# Altium PCB controller.PcbDoc (part 4 of 6)
Units mm, origin at the board's own origin, x right, y up, seen from the top; angles counter-clockwise.
Board outline 151 x 78 mm, 2 copper layers (Top Layer, Bottom Layer); 227 components, 202 nets, 805 pads, 125 vias.
Unrouted connection lines stored in the file: 1.
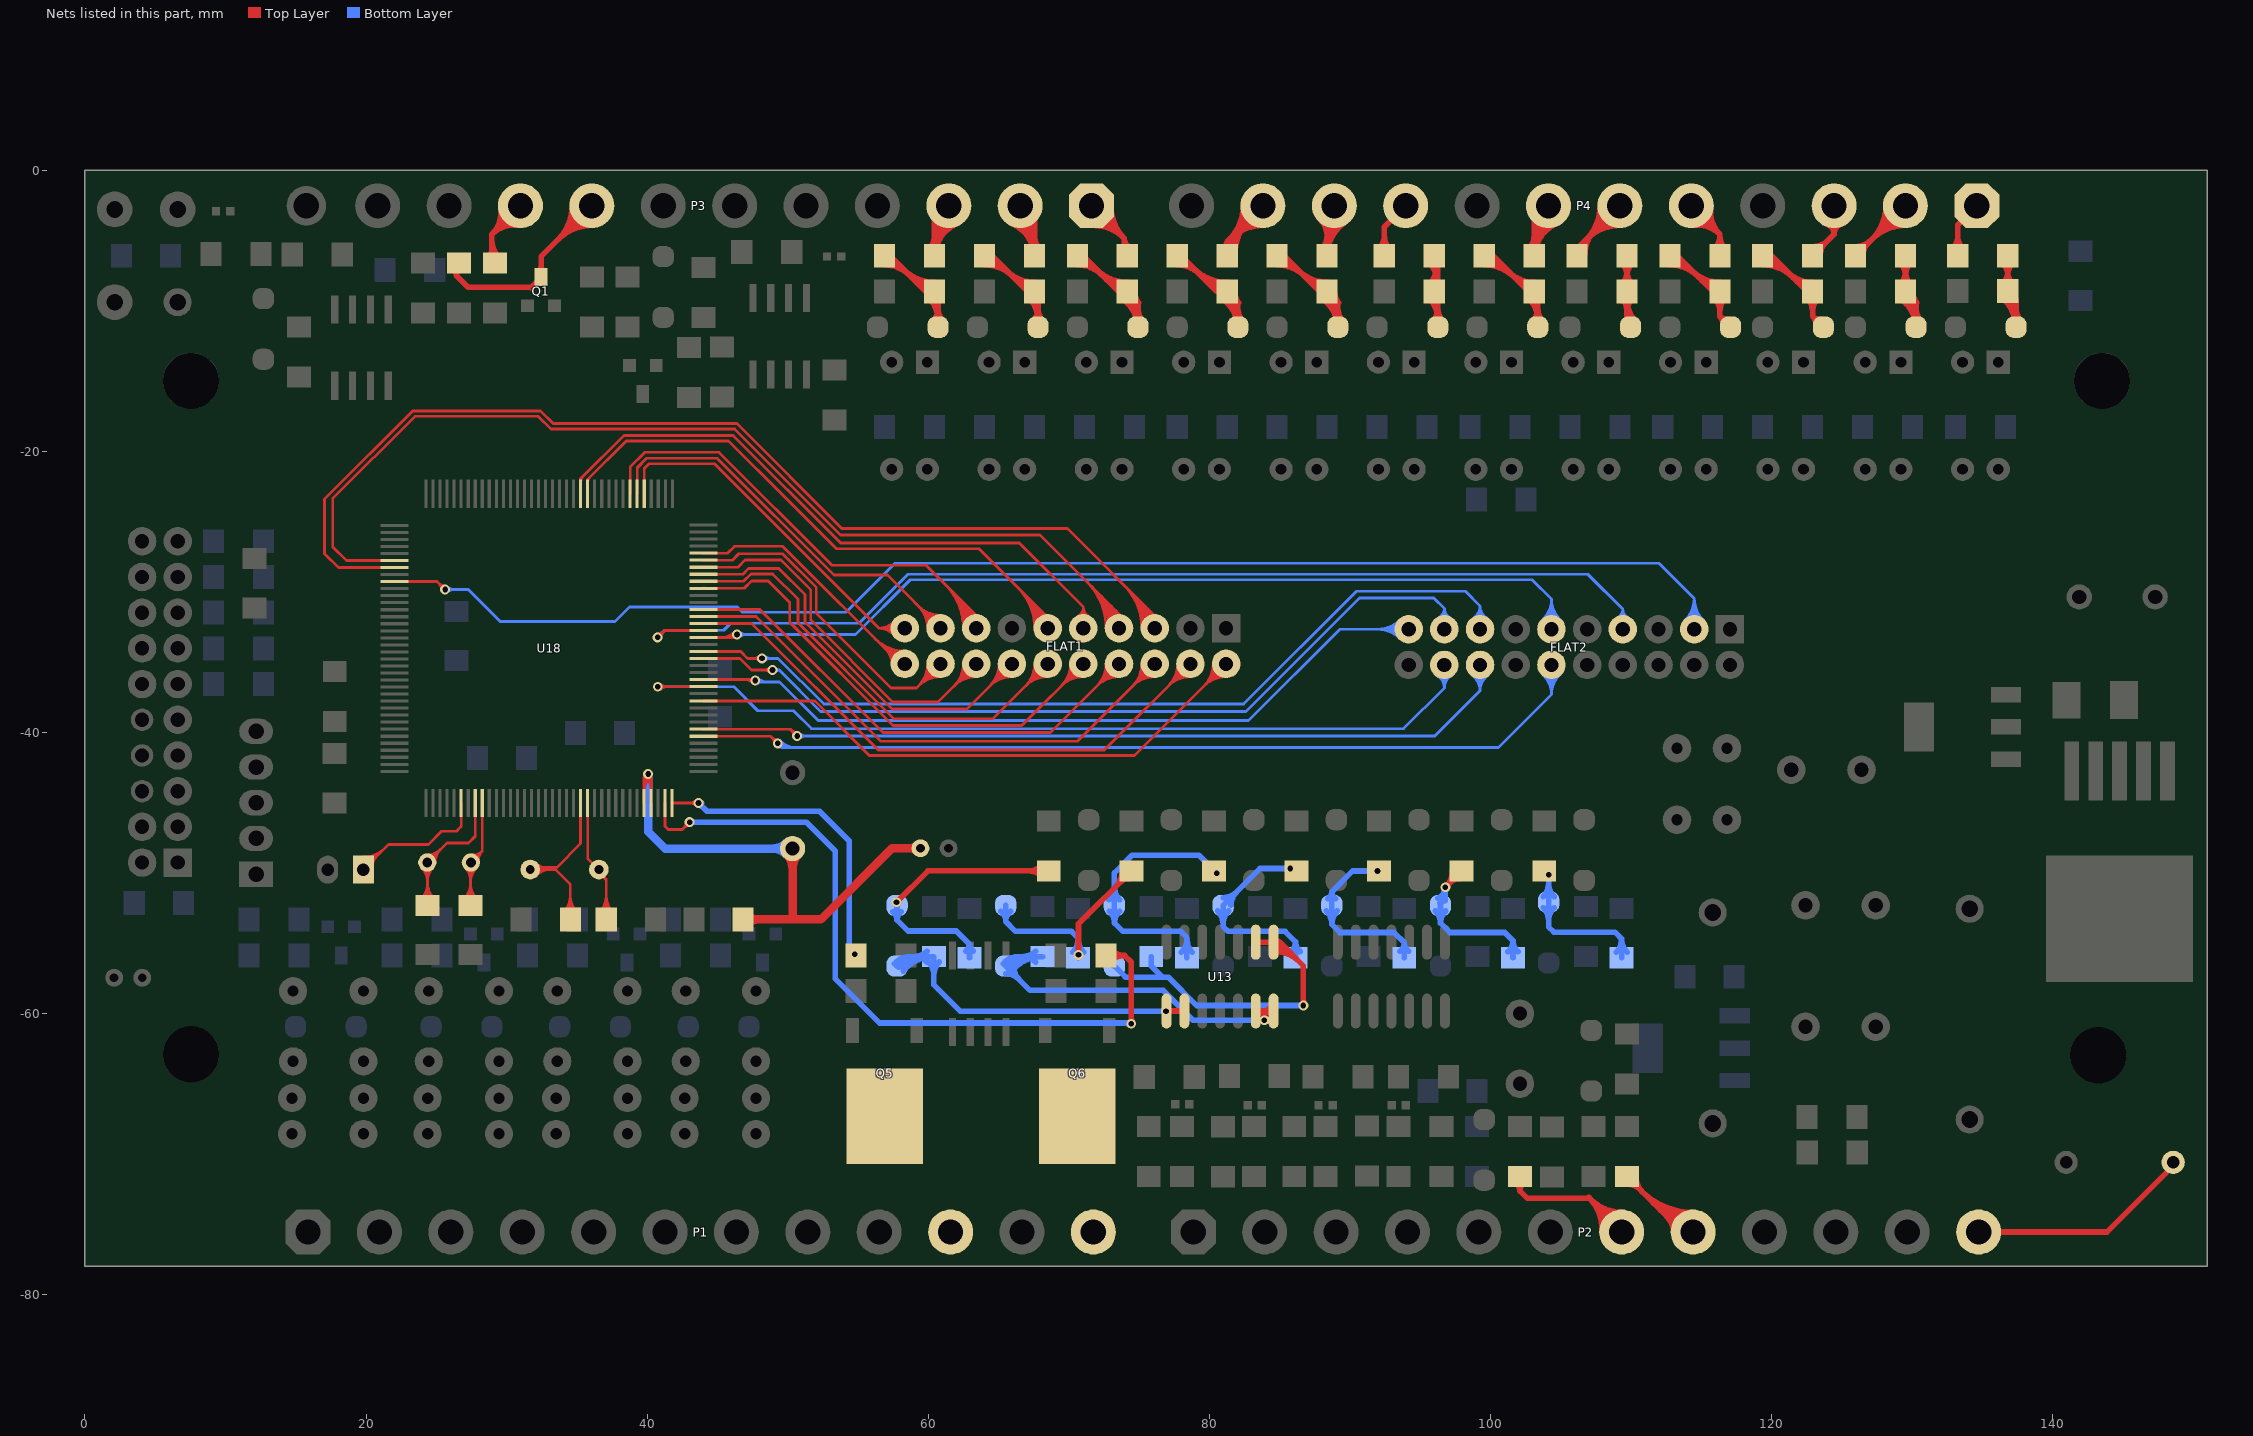
[diagram p4: the nets of this part, all layers, seen from the top]

## Via types
v1: diameter 0.7, hole 0.4, Top Layer to Bottom Layer, tented both sides, 124 vias
v2: diameter 0.8, hole 0.5, Top Layer to Bottom Layer, tented both sides, 1 vias

## Nets (pads, with @x,y where several pads share a name; then routed paths per layer and width w, separated by ;. In a path a pad name is that pad's centre, name@x,y a point inside that pad or via, vN(x,y) a via of type N, cw(c..) or ccw(c..) an arc to the next point about the centre after c; other vN are vias at no path point) (continued)
HAIN5: P2.7 R57.1 | length 19.6
  Top Layer w0.4: R57.1@101.807,-72.089 cw(c101.445,-72.644) 102.108,-72.644 ; R57.1@102.108,-71.628 102.108,-72.644 ; R57.1@102.409,-72.089 ccw(c102.771,-72.644) 102.108,-72.644 ; 106.998,-73.089 cw(c104.698,-75.389) P2.7@107.948,-75.512 ; 107.174,-73.265 ccw(c109.347,-71.092) P2.7@109.347,-74.165 ; 107.645,-73.736 cw(c105.946,-75.436) P2.7@108.348,-75.527 ; 107.857,-73.948 ccw(c109.347,-72.457) P2.7@109.347,-74.565 ; P2.7@109.347,-75.565 109.347,-75.438 107.061,-73.152 102.616,-73.152 102.108,-72.644
HAIN6: P2.8 R58.1 | length 21.5
  Top Layer w0.4: R58.1@109.728,-71.628 113.665,-75.565 P2.8@114.427,-75.565 ; R58.1@109.828,-72.178 cw(c109.828,-73.264) 110.596,-72.496 ; R58.1@110.378,-71.628 ccw(c111.947,-71.628) 110.838,-72.738 ; 110.736,-72.636 ccw(c114.427,-68.945) P2.8@114.427,-74.165 ; 111.419,-73.319 ccw(c114.427,-70.311) P2.8@114.427,-74.565 ; 112.102,-74.002 ccw(c114.427,-71.677) P2.8@114.427,-74.965 ; 112.576,-74.476 cw(c111.487,-75.565) P2.8@113.027,-75.565 ; 112.785,-74.685 ccw(c114.427,-73.043) P2.8@114.427,-75.365
I1: P4.1 R1.1 | length 6.2
  Top Layer w0.4: R1.1@132.874,-5.607 ccw(c131.935,-4.668) 133.263,-4.668 ccw(c134.59,-4.668) R1.1@133.652,-5.607 ; R1.1@133.263,-6.096 133.263,-3.897 P4.1@134.62,-2.54
I2: P4.2 R2.1 | length 16.2
  Top Layer w0.4: R2.1@125.984,-6.096 P4.2@129.54,-2.54 ; R2.1@125.984,-5.446 ccw(c125.984,-3.877) 127.094,-4.986 ; R2.1@126.534,-5.996 cw(c127.62,-5.996) 126.852,-5.228 ; P4.2@128.14,-2.54 cw(c124.76,-2.54) 127.15,-4.93 cw(c129.54,-7.32) P4.2@129.54,-3.94 ; P4.2@128.54,-2.54 cw(c126.126,-2.54) 127.833,-4.247 cw(c129.54,-5.954) P4.2@129.54,-3.54
I3: P4.3 R3.1 | length 8.1
  Top Layer w0.4: R3.1@122.936,-6.096 124.46,-4.572 ; R3.1@122.936,-5.446 ccw(c122.936,-3.877) 124.046,-4.986 ; R3.1@123.486,-5.996 cw(c124.572,-5.996) 123.804,-5.228 ; P4.3@123.961,-3.848 cw(c123.685,-4.572) 124.46,-4.572 ; P4.3@124.46,-2.54 124.46,-4.572 ; P4.3@124.959,-3.848 ccw(c125.235,-4.572) 124.46,-4.572
I4: P4.5 R4.1 | length 13.5
  Top Layer w0.4: P4.5@114.3,-2.54 116.332,-4.572 ; P4.5@114.421,-3.533 cw(c114.615,-5.127) 115.751,-3.991 cw(c116.887,-2.855) P4.5@115.293,-2.661 ; P4.5@114.469,-3.93 cw(c114.742,-6.162) 116.332,-4.572 ; P4.5@115.69,-2.709 ccw(c117.922,-2.982) 116.332,-4.572 ; R4.1@115.943,-5.607 ccw(c115.004,-4.668) 116.332,-4.668 ccw(c117.66,-4.668) R4.1@116.721,-5.607 ; R4.1@116.332,-6.096 116.332,-4.572
I5: P4.6 R5.1 | length 16.8
  Top Layer w0.4: R5.1@106.172,-6.096 106.172,-5.588 P4.6@109.22,-2.54 ; R5.1@106.322,-5.996 cw(c107.669,-5.996) 106.717,-5.043 ; R5.1@106.722,-5.996 cw(c109.035,-5.996) 107.399,-4.361 ; P4.6@107.82,-2.54 cw(c104.44,-2.54) 106.83,-4.93 cw(c109.22,-7.32) P4.6@109.22,-3.94 ; P4.6@108.22,-2.54 cw(c105.806,-2.54) 107.513,-4.247 cw(c109.22,-5.954) P4.6@109.22,-3.54
I6: P4.7 R6.1 | length 18.2
  Top Layer w0.4: R6.1@102.735,-5.607 ccw(c101.796,-4.668) 103.124,-4.668 ccw(c104.452,-4.668) R6.1@103.513,-5.607 ; R6.1@103.124,-6.238 cw(c105.762,-6.238) P4.7@104.702,-3.822 ; R6.1@103.124,-6.096 103.124,-3.556 P4.7@104.14,-2.54 ; R6.1@103.124,-5.626 cw(c105.494,-5.626) P4.7@104.542,-3.456 ; 103.124,-5.014 cw(c105.225,-5.014) P4.7@104.381,-3.089 ; 103.124,-4.401 cw(c104.957,-4.401) P4.7@104.22,-2.723 ; 103.124,-3.789 cw(c104.688,-3.789) P4.7@104.06,-2.357
I7: P4.9 R19.1 | length 6.3
  Top Layer w0.4: R19.1@92.067,-5.607 ccw(c91.128,-4.668) 92.456,-4.668 ccw(c93.784,-4.668) R19.1@92.845,-5.607 ; R19.1@92.456,-6.096 92.456,-4.064 P4.9@93.98,-2.54
I8: P4.10 R20.1 | length 14.3
  Top Layer w0.4: P4.10@87.91,-3.53 cw(c86.747,-4.693) 88.392,-4.693 ; R20.1@88.003,-5.607 ccw(c87.064,-4.668) 88.392,-4.668 ccw(c89.72,-4.668) R20.1@88.781,-5.607 ; R20.1@88.392,-6.132 cw(c91.327,-6.132) P4.10@89.684,-3.7 ; R20.1@88.392,-6.096 88.392,-3.048 P4.10@88.9,-2.54 ; R20.1@88.392,-5.379 cw(c90.818,-5.379) P4.10@89.46,-3.369 ; 88.392,-4.626 cw(c90.309,-4.626) P4.10@89.236,-3.037
I9: P4.11 R21.1 | length 20.8
  Top Layer w0.4: R21.1@81.022,-5.511 ccw(c80.792,-5.08) 81.28,-5.08 ; R21.1@81.03,-5.996 cw(c82.638,-5.996) 81.501,-4.859 ; R21.1@81.28,-6.096 81.28,-5.08 ; R21.1@81.43,-5.996 cw(c84.004,-5.996) 82.184,-4.176 ; R21.1@81.538,-5.511 cw(c81.768,-5.08) 81.28,-5.08 ; R21.1@81.83,-5.996 cw(c85.369,-5.996) P4.11@82.867,-3.493 ; P4.11@82.42,-2.54 cw(c79.04,-2.54) 81.43,-4.93 cw(c83.82,-7.32) P4.11@83.82,-3.94 ; P4.11@82.82,-2.54 cw(c80.406,-2.54) 82.113,-4.247 cw(c83.82,-5.954) P4.11@83.82,-3.54 ; P4.11@83.82,-2.54 81.28,-5.08
I10: P3.1 R22.1 | length 14.5
  Top Layer w0.4: P3.1@71.628,-2.54 73.946,-4.858 ; P3.1@71.65,-3.54 cw(c71.699,-5.78) 73.284,-4.196 cw(c74.868,-2.611) P3.1@72.628,-2.562 ; P3.1@71.659,-3.94 cw(c71.727,-7.076) 73.946,-4.858 ; P3.1@73.028,-2.571 ccw(c76.164,-2.639) 73.946,-4.858 ; R22.1@73.779,-5.607 ccw(c73.376,-5.204) 73.946,-5.204 ; R22.1@74.168,-6.096 73.946,-5.874 73.946,-4.858 ; R22.1@74.371,-5.485 cw(c74.621,-4.858) 73.946,-4.858
I11: P3.2 R23.1 | length 18.2
  Top Layer w0.4: P3.2@65.986,-3.822 cw(c64.926,-6.238) R23.1@67.564,-6.238 ; P3.2@66.146,-3.456 cw(c65.194,-5.626) R23.1@67.564,-5.626 ; P3.2@66.307,-3.089 cw(c65.463,-5.014) 67.564,-5.014 ; P3.2@66.468,-2.723 cw(c65.731,-4.401) 67.564,-4.401 ; P3.2@66.548,-2.54 67.564,-3.556 R23.1@67.564,-6.096 ; P3.2@66.628,-2.357 cw(c66,-3.789) 67.564,-3.789 ; R23.1@67.175,-5.607 ccw(c66.236,-4.668) 67.564,-4.668 ccw(c68.892,-4.668) R23.1@67.953,-5.607
I12: P3.3 R24.1 | length 18.2
  Top Layer w0.4: R24.1@60.063,-5.607 ccw(c59.124,-4.668) 60.452,-4.668 ccw(c61.78,-4.668) R24.1@60.841,-5.607 ; R24.1@60.452,-6.238 cw(c63.09,-6.238) P3.3@62.03,-3.822 ; R24.1@60.452,-6.096 60.452,-3.556 P3.3@61.468,-2.54 ; R24.1@60.452,-5.626 cw(c62.822,-5.626) P3.3@61.87,-3.456 ; 60.452,-5.014 cw(c62.553,-5.014) P3.3@61.709,-3.089 ; 60.452,-4.401 cw(c62.285,-4.401) P3.3@61.548,-2.723 ; 60.452,-3.789 cw(c62.016,-3.789) P3.3@61.388,-2.357
INPUT: P2.12 RT1.1 | length 16
  Top Layer w0.4: P2.12@134.747,-75.565 143.885,-75.565 148.59,-70.86 RT1.1@148.59,-70.612
INT_ENC: FLAT2.3 U18.117 | length 108.8
  Top Layer w0.2: U18.117@22.02,-29.286 25.061,-29.286 v1(25.625,-29.85) ; v1@25.375,-29.85 ccw(c24.771,-29.85) 25.198,-29.423 ccw(c25.625,-28.996) v1@25.625,-29.6
  Bottom Layer w0.2: v1(25.625,-29.85) 27.275,-29.85 29.55,-32.125 37.725,-32.125 38.75,-31.1 46.435,-31.1 46.8,-31.465 54.16,-31.465 57.645,-27.98 112.005,-27.98 114.51,-30.485 ; v1@25.802,-30.027 cw(c26.229,-30.454) 26.229,-29.85 cw(c26.229,-29.246) v1@25.802,-29.673 ; FLAT2.3@113.867,-32.023 ccw(c112.35,-30.485) 114.51,-30.485 ; FLAT2.3@114.007,-32.165 ccw(c112.822,-30.963) 114.51,-30.963 ccw(c116.198,-30.963) FLAT2.3@115.013,-32.165 ; FLAT2.3@114.148,-32.308 ccw(c113.293,-31.441) 114.51,-31.441 ccw(c115.727,-31.441) FLAT2.3@114.872,-32.308 ; FLAT2.3@114.51,-32.675 114.51,-30.485 ; FLAT2.3@115.153,-32.023 cw(c116.67,-30.485) 114.51,-30.485
KEY1: FLAT2.18 U18.49 | length 68.8
  Top Layer w0.2: v1(40.761,-36.761) U18.49@44.02,-36.761 ; v1@40.938,-36.938 cw(c41.365,-37.365) 41.365,-36.761 cw(c41.365,-36.157) v1@40.938,-36.584
  Bottom Layer w0.2: v1(40.761,-36.761) 46.161,-36.761 47.875,-38.475 50.425,-38.475 51.7,-39.75 93.825,-39.75 96.73,-36.845 ; v1@40.938,-36.938 cw(c41.365,-37.365) 41.365,-36.761 cw(c41.365,-36.157) v1@40.938,-36.584 ; FLAT2.18@96.254,-35.997 cw(c95.738,-36.845) 96.73,-36.845 ; FLAT2.18@96.358,-35.827 cw(c95.954,-36.489) 96.73,-36.489 cw(c97.506,-36.489) FLAT2.18@97.102,-35.827 ; FLAT2.18@96.73,-35.215 96.73,-36.845 ; FLAT2.18@97.206,-35.997 ccw(c97.722,-36.845) 96.73,-36.845
KEY2: FLAT2.19 U18.50 | length 64.6
  Top Layer w0.2: U18.50@44.02,-36.261 47.7,-36.261 47.764,-36.261 v1(47.7,-36.325) ; 46.942,-36.261 cw(c46.942,-37.083) v1@47.523,-36.502 ; 47.251,-36.261 ccw(c47.251,-35.876) v1@47.523,-36.148
  Bottom Layer w0.2: v1(47.7,-36.325) 47.8,-36.425 49.425,-36.425 52.175,-39.175 82.804,-39.175 89.304,-32.675 FLAT2.19@94.19,-32.675 ; v1@47.735,-36.29 ccw(c48.062,-35.963) 48.062,-36.425 ccw(c48.062,-36.687) v1@47.877,-36.502 ; v1@47.877,-36.148 ccw(c48.545,-35.48) 48.545,-36.425 ; FLAT2.19@93.542,-33.323 ccw(c91.979,-34.886) 91.979,-32.675 ccw(c91.979,-30.464) FLAT2.19@93.542,-32.027 ; FLAT2.19@93.684,-33.181 ccw(c92.461,-34.404) 92.461,-32.675 ccw(c92.461,-30.946) FLAT2.19@93.684,-32.169 ; FLAT2.19@93.825,-33.04 ccw(c92.944,-33.921) 92.944,-32.675 ccw(c92.944,-31.429) FLAT2.19@93.825,-32.31
KEY3: FLAT2.17 U18.53 | length 63.8
  Top Layer w0.2: U18.53@44.02,-34.761 46.611,-34.761 47.425,-35.575 v1(48.925,-35.575) ; v1@48.748,-35.752 ccw(c48.321,-36.179) 48.321,-35.575 ccw(c48.321,-34.971) v1@48.748,-35.398
  Bottom Layer w0.2: v1(48.925,-35.575) 49.4,-35.575 ; v1@49.131,-35.717 cw(c49.4,-35.901) 49.4,-35.575 ; v1@49.131,-35.433 ccw(c49.4,-35.249) 49.4,-35.575 ; FLAT2.17@96.326,-31.853 ccw(c96.009,-31.205) 96.73,-31.205 ; FLAT2.17@96.415,-32.032 ccw(c96.166,-31.526) 96.73,-31.526 ccw(c97.294,-31.526) FLAT2.17@97.045,-32.032 ; FLAT2.17@96.73,-32.675 96.73,-31.205 ; FLAT2.17@97.134,-31.853 cw(c97.451,-31.205) 96.73,-31.205 ; 49.4,-35.575 52.35,-38.525 82.625,-38.525 90.7,-30.45 95.975,-30.45 96.73,-31.205
KEY4: FLAT2.15 U18.54 | length 67.8
  Top Layer w0.2: U18.54@44.02,-34.261 46.663,-34.261 47.152,-34.75 v1(48.175,-34.75) ; v1@47.998,-34.927 ccw(c47.571,-35.354) 47.571,-34.75 ccw(c47.571,-34.146) v1@47.998,-34.573
  Bottom Layer w0.2: v1(48.175,-34.75) 49.325,-34.75 52.575,-38 82.45,-38 90.475,-29.975 98.225,-29.975 99.27,-31.02 ; v1@48.352,-34.927 cw(c48.779,-35.354) 48.779,-34.75 cw(c48.779,-34.146) v1@48.352,-34.573 ; FLAT2.15@98.784,-31.899 ccw(c98.233,-31.02) 99.27,-31.02 ; FLAT2.15@98.89,-32.068 ccw(c98.459,-31.381) 99.27,-31.381 ccw(c100.081,-31.381) FLAT2.15@99.65,-32.068 ; FLAT2.15@99.27,-32.675 99.27,-31.02 ; FLAT2.15@99.756,-31.899 cw(c100.307,-31.02) 99.27,-31.02
LCDD0: FLAT1.11 U18.85 | length 55.3
  Top Layer w0.2: U18.85@35.77,-23.036 35.77,-22.016 38.516,-19.27 45.795,-19.27 49.723,-23.198 ; U18.85@35.78,-22.146 cw(c36.118,-22.146) 35.879,-21.907 ; 49.45,-22.925 49.723,-23.198 ; 66.388,-29.713 cw(c63.502,-32.6) FLAT1.11@67.584,-32.6 ; 66.73,-30.055 cw(c64.184,-32.6) FLAT1.11@67.784,-32.6 ; 67.071,-30.396 cw(c64.867,-32.6) FLAT1.11@67.984,-32.6 ; 67.413,-30.738 cw(c65.55,-32.6) FLAT1.11@68.184,-32.6 ; 67.754,-31.079 cw(c66.233,-32.6) FLAT1.11@68.384,-32.6 ; 68.095,-31.42 cw(c66.916,-32.6) FLAT1.11@68.584,-32.6 ; 68.259,-31.584 ccw(c68.5,-31.344) FLAT1.11@68.5,-31.684 ; FLAT1.11@68.5,-32.6 68.5,-31.825 63.625,-26.95 53.475,-26.95 49.723,-23.198
LCDD1: FLAT1.9 U18.86 | length 48.1
  Top Layer w0.2: U18.86@35.27,-23.036 35.27,-21.964 38.354,-18.88 46.124,-18.88 53.779,-26.535 66.485,-26.535 71.04,-31.09 ; U18.86@35.28,-22.146 cw(c35.743,-22.146) 35.416,-21.819 ; FLAT1.9@70.617,-31.788 ccw(c70.254,-31.09) 71.04,-31.09 ; FLAT1.9@70.709,-31.965 ccw(c70.425,-31.42) 71.04,-31.42 ccw(c71.655,-31.42) FLAT1.9@71.371,-31.965 ; FLAT1.9@71.04,-32.6 71.04,-31.09 ; FLAT1.9@71.463,-31.788 cw(c71.826,-31.09) 71.04,-31.09
LCDD2: FLAT1.7 U18.114 | length 91.2
  Top Layer w0.2: U18.114@22.02,-27.786 18.611,-27.786 17.625,-26.8 17.625,-23.381 23.481,-17.525 32.25,-17.525 33.16,-18.435 46.23,-18.435 53.762,-25.967 67.967,-25.967 73.58,-31.58 FLAT1.7@73.58,-32.6 ; 71.295,-29.295 cw(c67.99,-32.6) FLAT1.7@72.664,-32.6 ; 71.636,-29.636 cw(c68.673,-32.6) FLAT1.7@72.864,-32.6 ; 71.978,-29.978 cw(c69.356,-32.6) FLAT1.7@73.064,-32.6 ; 72.319,-30.319 cw(c70.039,-32.6) FLAT1.7@73.264,-32.6 ; 72.661,-30.661 cw(c70.721,-32.6) FLAT1.7@73.464,-32.6 ; 73.002,-31.002 cw(c71.404,-32.6) FLAT1.7@73.664,-32.6 ; 73.344,-31.344 cw(c72.087,-32.6) FLAT1.7@73.864,-32.6
LCDD3: FLAT1.5 U18.115 | length 93.7
  Top Layer w0.2: U18.115@22.02,-28.286 18.036,-28.286 17.05,-27.3 17.05,-23.405 23.32,-17.135 32.412,-17.135 33.322,-18.045 46.392,-18.045 53.85,-25.503 69.903,-25.503 76.12,-31.72 FLAT1.5@76.12,-32.6 ; 73.934,-29.534 cw(c70.868,-32.6) FLAT1.5@75.204,-32.6 ; 74.275,-29.875 cw(c71.551,-32.6) FLAT1.5@75.404,-32.6 ; 74.617,-30.217 cw(c72.234,-32.6) FLAT1.5@75.604,-32.6 ; 74.958,-30.558 cw(c72.917,-32.6) FLAT1.5@75.804,-32.6 ; 75.3,-30.9 cw(c73.599,-32.6) FLAT1.5@76.004,-32.6 ; 75.641,-31.241 cw(c74.282,-32.6) FLAT1.5@76.204,-32.6 ; 75.983,-31.583 cw(c74.965,-32.6) FLAT1.5@76.404,-32.6
LCDD4: FLAT1.4 U18.58 | length 49.1
  Top Layer w0.2: U18.58@44.02,-32.261 47.436,-32.261 56.445,-41.27 72.53,-41.27 FLAT1.4@78.66,-35.14 ; FLAT1.4@77.744,-35.14 cw(c75.533,-35.14) 77.096,-36.704 cw(c78.66,-38.267) FLAT1.4@78.66,-36.056 ; FLAT1.4@77.944,-35.14 cw(c76.215,-35.14) 77.438,-36.362 cw(c78.66,-37.585) FLAT1.4@78.66,-35.856 ; FLAT1.4@78.144,-35.14 cw(c76.898,-35.14) 77.779,-36.021 cw(c78.66,-36.902) FLAT1.4@78.66,-35.656
LCDD5: FLAT1.6 U18.59 | length 46.2
  Top Layer w0.2: U18.59@44.02,-31.761 47.761,-31.761 56.65,-40.65 70.61,-40.65 FLAT1.6@76.12,-35.14 ; FLAT1.6@75.204,-35.14 cw(c72.993,-35.14) 74.556,-36.704 cw(c76.12,-38.267) FLAT1.6@76.12,-36.056 ; FLAT1.6@75.404,-35.14 cw(c73.675,-35.14) 74.898,-36.362 cw(c76.12,-37.585) FLAT1.6@76.12,-35.856 ; FLAT1.6@75.604,-35.14 cw(c74.358,-35.14) 75.239,-36.021 cw(c76.12,-36.902) FLAT1.6@76.12,-35.656
LCDD6: FLAT1.8 U18.60 | length 43.4
  Top Layer w0.2: U18.60@44.02,-31.261 48.011,-31.261 56.775,-40.025 68.695,-40.025 FLAT1.8@73.58,-35.14 ; FLAT1.8@72.664,-35.14 cw(c70.453,-35.14) 72.016,-36.704 cw(c73.58,-38.267) FLAT1.8@73.58,-36.056 ; FLAT1.8@72.864,-35.14 cw(c71.135,-35.14) 72.358,-36.362 cw(c73.58,-37.585) FLAT1.8@73.58,-35.856 ; FLAT1.8@73.064,-35.14 cw(c71.818,-35.14) 72.699,-36.021 cw(c73.58,-36.902) FLAT1.8@73.58,-35.656
LCDD7: FLAT1.10 U18.63 | length 42.3
  Top Layer w0.2: U18.63@44.038,-29.743 U18.63@44.02,-29.761 46.914,-29.761 47.425,-29.25 48.625,-29.25 50.147,-30.772 50.147,-32.178 57.494,-39.525 66.655,-39.525 FLAT1.10@71.04,-35.14 ; FLAT1.10@70.124,-35.14 cw(c67.913,-35.14) 69.476,-36.704 cw(c71.04,-38.267) FLAT1.10@71.04,-36.056 ; FLAT1.10@70.324,-35.14 cw(c68.595,-35.14) 69.818,-36.362 cw(c71.04,-37.585) FLAT1.10@71.04,-35.856 ; FLAT1.10@70.524,-35.14 cw(c69.278,-35.14) 70.159,-36.021 cw(c71.04,-36.902) FLAT1.10@71.04,-35.656
LCDD8: FLAT1.12 U18.64 | length 39.7
  Top Layer w0.2: U18.64@44.02,-29.261 46.862,-29.261 47.388,-28.735 48.935,-28.735 50.735,-30.535 50.735,-32.215 57.57,-39.05 64.59,-39.05 FLAT1.12@68.5,-35.14 ; FLAT1.12@67.584,-35.14 cw(c65.373,-35.14) 66.936,-36.704 cw(c68.5,-38.267) FLAT1.12@68.5,-36.056 ; FLAT1.12@67.784,-35.14 cw(c66.055,-35.14) 67.278,-36.362 cw(c68.5,-37.585) FLAT1.12@68.5,-35.856 ; FLAT1.12@67.984,-35.14 cw(c66.738,-35.14) 67.619,-36.021 cw(c68.5,-36.902) FLAT1.12@68.5,-35.656
LCDD9: FLAT1.14 U18.65 | length 36.9
  Top Layer w0.2: U18.65@44.02,-28.761 46.811,-28.761 47.227,-28.345 49.37,-28.345 51.236,-30.211 51.236,-32.164 57.422,-38.35 62.75,-38.35 FLAT1.14@65.96,-35.14 ; FLAT1.14@65.044,-35.14 cw(c62.833,-35.14) 64.396,-36.704 cw(c65.96,-38.267) FLAT1.14@65.96,-36.056 ; FLAT1.14@65.244,-35.14 cw(c63.515,-35.14) 64.738,-36.362 cw(c65.96,-37.585) FLAT1.14@65.96,-35.856 ; FLAT1.14@65.444,-35.14 cw(c64.198,-35.14) 65.079,-36.021 cw(c65.96,-36.902) FLAT1.14@65.96,-35.656
LCDD10: FLAT1.16 U18.66 | length 34.3
  Top Layer w0.2: U18.66@44.02,-28.261 46.464,-28.261 46.975,-27.75 49.525,-27.75 51.651,-29.876 51.651,-32.028 57.473,-37.85 60.71,-37.85 FLAT1.16@63.42,-35.14 ; FLAT1.16@62.504,-35.14 cw(c60.293,-35.14) 61.856,-36.704 cw(c63.42,-38.267) FLAT1.16@63.42,-36.056 ; FLAT1.16@62.704,-35.14 cw(c60.975,-35.14) 62.198,-36.362 cw(c63.42,-37.585) FLAT1.16@63.42,-35.856 ; FLAT1.16@62.904,-35.14 cw(c61.658,-35.14) 62.539,-36.021 cw(c63.42,-36.902) FLAT1.16@63.42,-35.656
LCDD11: FLAT1.18 U18.67 | length 30.9
  Top Layer w0.2: U18.67@44.02,-27.761 46.064,-27.761 46.525,-27.3 49.627,-27.3 52.041,-29.715 52.041,-31.541 57.35,-36.85 59.17,-36.85 FLAT1.18@60.88,-35.14 ; FLAT1.18@59.964,-35.14 cw(c57.753,-35.14) 59.316,-36.704 cw(c60.88,-38.267) FLAT1.18@60.88,-36.056 ; FLAT1.18@60.164,-35.14 cw(c58.435,-35.14) 59.658,-36.362 cw(c60.88,-37.585) FLAT1.18@60.88,-35.856 ; FLAT1.18@60.364,-35.14 cw(c59.118,-35.14) 59.999,-36.021 cw(c60.88,-36.902) FLAT1.18@60.88,-35.656
LCDD12: FLAT1.20 U18.68 | length 27
  Top Layer w0.2: U18.68@44.02,-27.261 45.739,-27.261 46.225,-26.775 49.653,-26.775 58.018,-35.14 FLAT1.20@58.34,-35.14 ; 56.227,-33.349 ccw(c58.34,-31.235) FLAT1.20@58.34,-34.224 ; 56.568,-33.69 ccw(c58.34,-31.918) FLAT1.20@58.34,-34.424 ; 56.91,-34.032 ccw(c58.34,-32.601) FLAT1.20@58.34,-34.624 ; 57.004,-34.126 cw(c55.99,-35.14) FLAT1.20@57.424,-35.14 ; 57.251,-34.373 ccw(c58.34,-33.284) FLAT1.20@58.34,-34.824 ; 57.345,-34.467 cw(c56.673,-35.14) FLAT1.20@57.624,-35.14
LCDD13: FLAT1.19 U18.77 | length 31.4
  Top Layer w0.2: U18.77@39.795,-23.036 39.795,-21.23 40.125,-20.9 44.8,-20.9 56.5,-32.6 ; FLAT1.19@57.609,-33.152 ccw(c56.5,-33.99) 56.5,-32.6 ; FLAT1.19@57.609,-32.048 cw(c56.5,-31.21) 56.5,-32.6 ; FLAT1.19@57.769,-33.032 ccw(c56.902,-33.686) 56.902,-32.6 ccw(c56.902,-31.514) FLAT1.19@57.769,-32.168 ; FLAT1.19@57.928,-32.911 ccw(c57.304,-33.383) 57.304,-32.6 ccw(c57.304,-31.817) FLAT1.19@57.928,-32.289 ; FLAT1.19@58.34,-32.6 56.5,-32.6
LCDD14: FLAT1.17 U18.78 | length 36.9
  Top Layer w0.2: U18.78@39.295,-23.036 39.295,-21.178 39.963,-20.51 44.987,-20.51 53.302,-28.825 57.105,-28.825 FLAT1.17@60.88,-32.6 ; FLAT1.17@59.964,-32.6 ccw(c57.753,-32.6) 59.316,-31.036 ccw(c60.88,-29.473) FLAT1.17@60.88,-31.684 ; FLAT1.17@60.164,-32.6 ccw(c58.435,-32.6) 59.658,-31.378 ccw(c60.88,-30.155) FLAT1.17@60.88,-31.884 ; FLAT1.17@60.364,-32.6 ccw(c59.118,-32.6) 59.999,-31.719 ccw(c60.88,-30.838) FLAT1.17@60.88,-32.084
LCDD15: FLAT1.15 U18.79 | length 48.9
  Top Layer w0.2: U18.79@38.795,-23.036 38.795,-21.127 39.837,-20.085 45.113,-20.085 53.153,-28.125 59.85,-28.125 63.42,-31.695 FLAT1.15@63.42,-32.6 ; 61.216,-29.491 cw(c58.108,-32.6) FLAT1.15@62.504,-32.6 ; 61.558,-29.833 cw(c58.791,-32.6) FLAT1.15@62.704,-32.6 ; 61.899,-30.174 cw(c59.473,-32.6) FLAT1.15@62.904,-32.6 ; 62.241,-30.516 cw(c60.156,-32.6) FLAT1.15@63.104,-32.6 ; 62.582,-30.857 cw(c60.839,-32.6) FLAT1.15@63.304,-32.6 ; 62.923,-31.198 cw(c61.522,-32.6) FLAT1.15@63.504,-32.6 ; 63.265,-31.54 cw(c62.205,-32.6) FLAT1.15@63.704,-32.6
LED1: FLAT2.11 U18.56 | length 75.2
  Top Layer w0.2: U18.56@44.02,-33.261 46.189,-33.261 v1(46.4,-33.05) ; 45.287,-33.261 ccw(c45.287,-31.937) v1@46.223,-32.873 ; 45.77,-33.261 ccw(c45.77,-32.42) v1@46.365,-33.015
  Bottom Layer w0.2: v1(46.4,-33.05) 54.827,-33.05 58.727,-29.15 102.975,-29.15 104.35,-30.525 ; v1@46.577,-33.227 cw(c47.004,-33.654) 47.004,-33.05 cw(c47.004,-32.446) v1@46.577,-32.873 ; FLAT2.11@103.715,-32.014 ccw(c102.285,-30.525) 104.35,-30.525 ; FLAT2.11@103.854,-32.159 ccw(c102.736,-30.995) 104.35,-30.995 ccw(c105.964,-30.995) FLAT2.11@104.846,-32.159 ; FLAT2.11@103.993,-32.303 ccw(c103.187,-31.464) 104.35,-31.464 ccw(c105.513,-31.464) FLAT2.11@104.707,-32.303 ; FLAT2.11@104.35,-32.675 104.35,-30.525 ; FLAT2.11@104.985,-32.014 cw(c106.415,-30.525) 104.35,-30.525
LED2: FLAT2.7 U18.57 | length 81
  Top Layer w0.2: v1(40.75,-33.25) 41.239,-32.761 U18.57@44.02,-32.761 ; v1@40.75,-33 ccw(c40.75,-32.396) 41.177,-32.823 ccw(c41.604,-33.25) v1@41,-33.25